# KiCad board SparkFun_RTK_Facet_mosaic_panelized.kicad_pcb (continued)
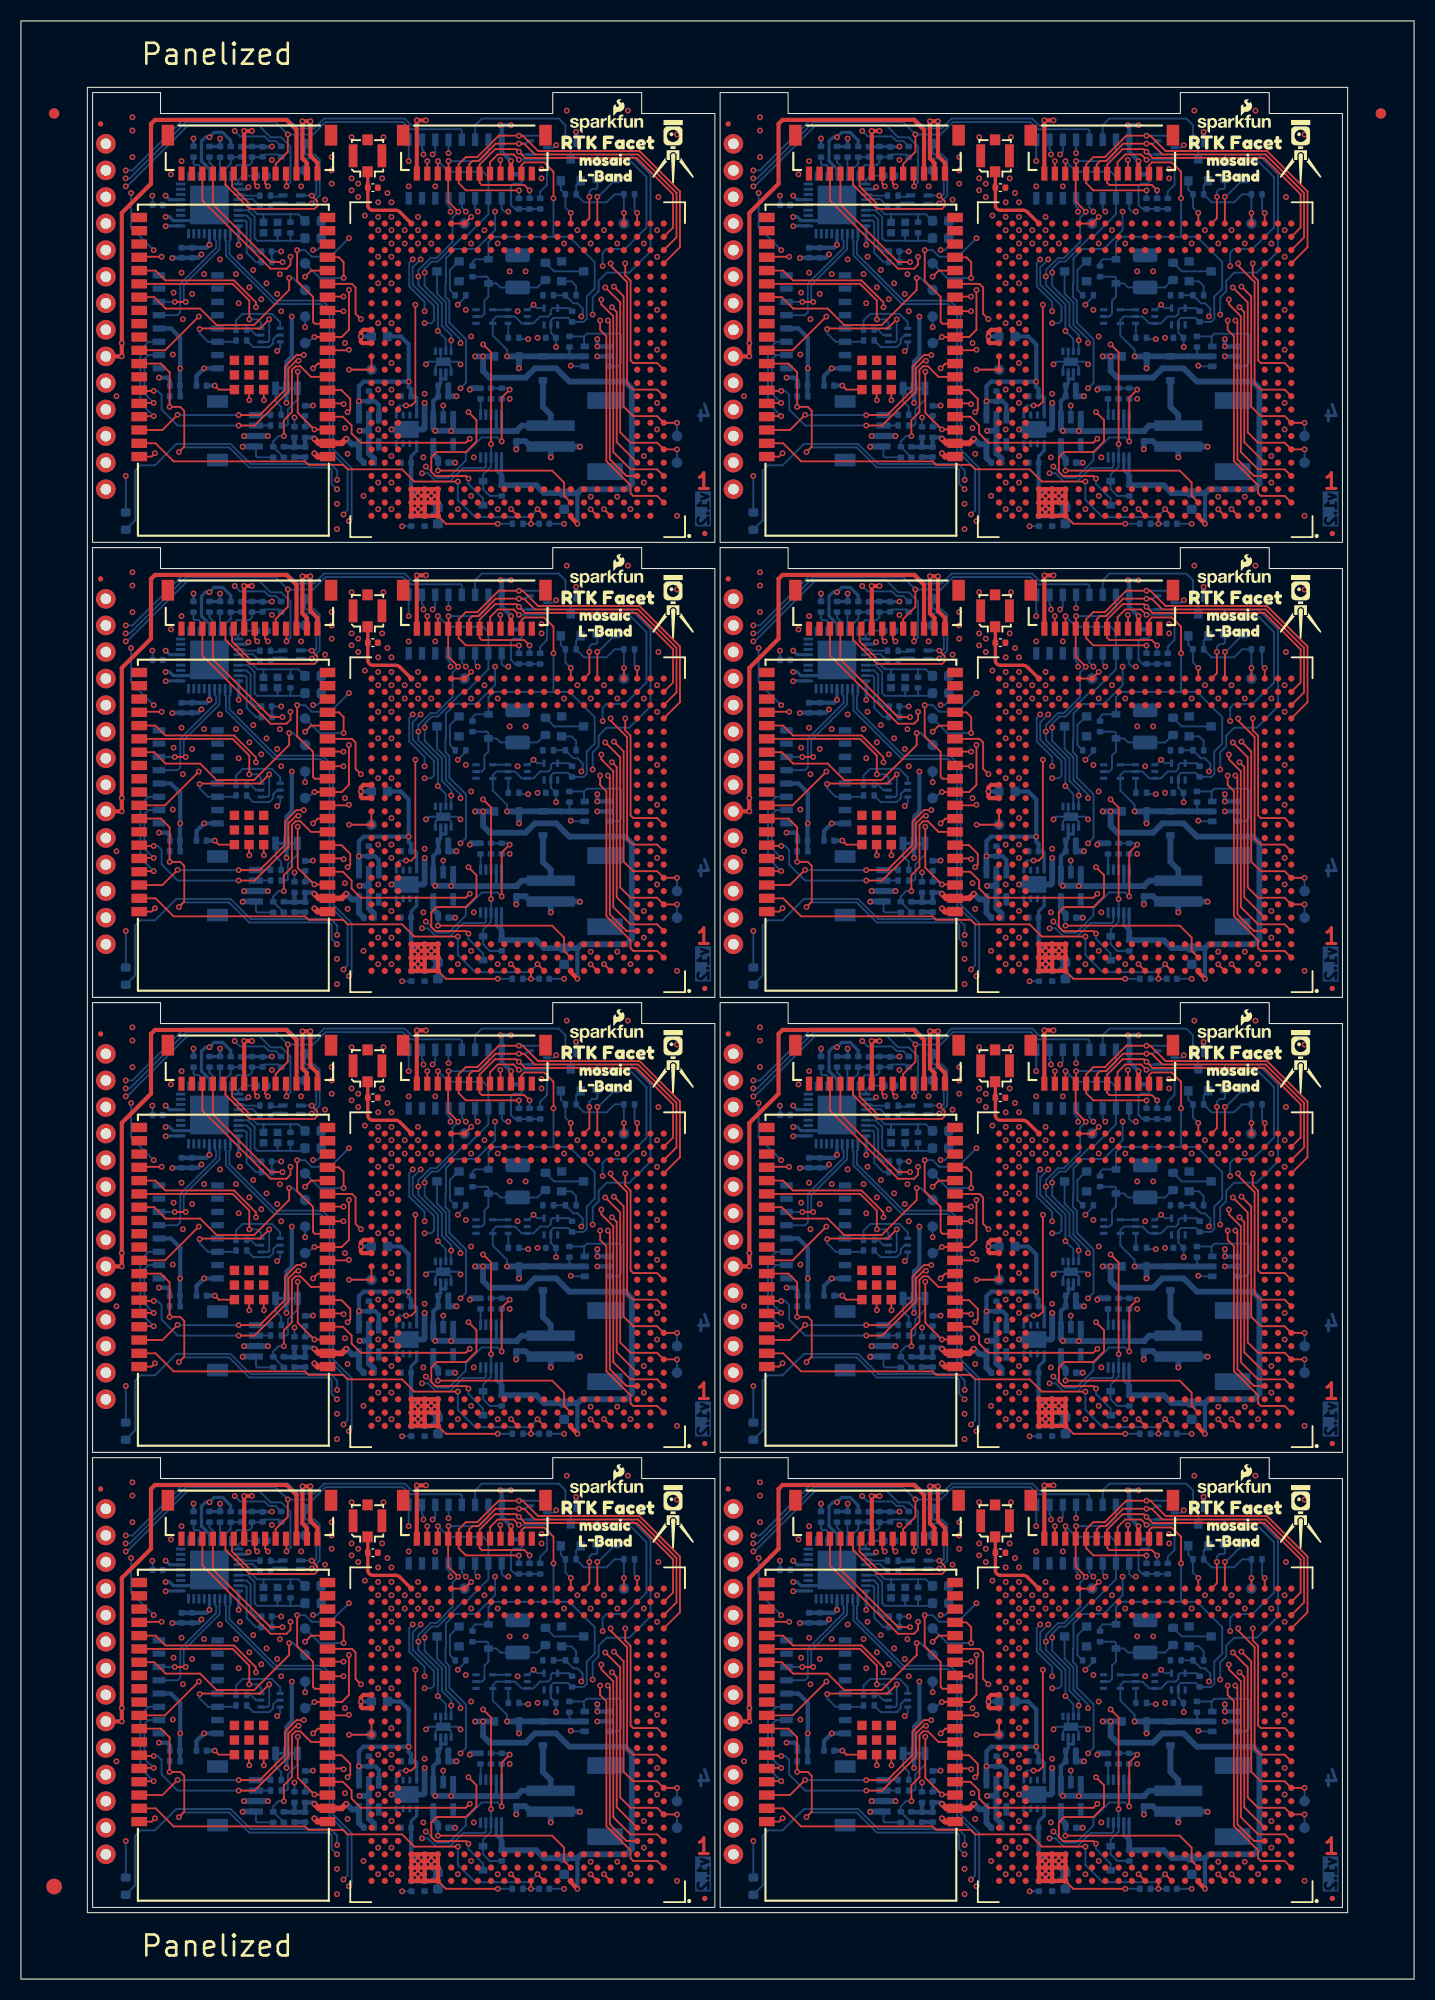
[diagram p0: board, top side]
## Placement (name value [footprint] x y rotation side) (continued)
TP25#3  1.0mm  [TestPoint-1.0mm]  62.73 147.51 180 bottom
TP25#4  1.0mm  [TestPoint-1.0mm]  62.73 17.01 180 bottom
TP25#5  1.0mm  [TestPoint-1.0mm]  62.73 104.01 180 bottom
TP25#6  1.0mm  [TestPoint-1.0mm]  62.73 60.51 180 bottom
TP25#7  1.0mm  [TestPoint-1.0mm]  122.73 147.51 180 bottom
TP25#8  1.0mm  [TestPoint-1.0mm]  122.73 17.01 180 bottom
TR1  Val**  [RFCMF1220100M4T]  85.9 83.12 180 bottom
TR1#2  Val**  [RFCMF1220100M4T]  25.9 83.12 180 bottom
TR1#3  Val**  [RFCMF1220100M4T]  85.9 39.62 180 bottom
TR1#4  Val**  [RFCMF1220100M4T]  25.9 126.62 180 bottom
TR1#5  Val**  [RFCMF1220100M4T]  85.9 126.62 180 bottom
TR1#6  Val**  [RFCMF1220100M4T]  25.9 39.62 180 bottom
TR1#7  Val**  [RFCMF1220100M4T]  25.9 170.12 180 bottom
TR1#8  Val**  [RFCMF1220100M4T]  85.9 170.12 180 bottom
U1  ESP32-WROVER-E-N16R8  [ESP32-WROVER-E-IE]  20.31 109.85 270 top
U1#2  ESP32-WROVER-E-N16R8  [ESP32-WROVER-E-IE]  80.31 66.35 270 top
U1#3  ESP32-WROVER-E-N16R8  [ESP32-WROVER-E-IE]  20.31 66.35 270 top
U1#4  ESP32-WROVER-E-N16R8  [ESP32-WROVER-E-IE]  20.31 153.35 270 top
U1#5  ESP32-WROVER-E-N16R8  [ESP32-WROVER-E-IE]  80.31 22.85 270 top
U1#6  ESP32-WROVER-E-N16R8  [ESP32-WROVER-E-IE]  80.31 109.85 270 top
U1#7  ESP32-WROVER-E-N16R8  [ESP32-WROVER-E-IE]  20.31 22.85 270 top
U1#8  ESP32-WROVER-E-N16R8  [ESP32-WROVER-E-IE]  80.31 153.35 270 top
U2  mosaic-X5  [MOSAIC_LGA]  107.49 153.86 0 top
U2#2  mosaic-X5  [MOSAIC_LGA]  107.49 66.86 0 top
U2#3  mosaic-X5  [MOSAIC_LGA]  107.49 23.36 0 top
U2#4  mosaic-X5  [MOSAIC_LGA]  47.49 23.36 0 top
U2#5  mosaic-X5  [MOSAIC_LGA]  47.49 66.86 0 top
U2#6  mosaic-X5  [MOSAIC_LGA]  107.49 110.36 0 top
U2#7  mosaic-X5  [MOSAIC_LGA]  47.49 153.86 0 top
U2#8  mosaic-X5  [MOSAIC_LGA]  47.49 110.36 0 top
U3  CH340C  [SO-16]  75.99 27.93 0 bottom
U3#2  CH340C  [SO-16]  15.99 27.93 0 bottom
U3#3  CH340C  [SO-16]  75.99 114.93 0 bottom
U3#4  CH340C  [SO-16]  75.99 71.43 0 bottom
U3#5  CH340C  [SO-16]  15.99 158.43 0 bottom
U3#6  CH340C  [SO-16]  15.99 114.93 0 bottom
U3#7  CH340C  [SO-16]  15.99 71.43 0 bottom
U3#8  CH340C  [SO-16]  75.99 158.43 0 bottom
U4  MAX17048  [DFN-8]  100.38 67.62 90 bottom
U4#2  MAX17048  [DFN-8]  100.38 111.12 90 bottom
U4#3  MAX17048  [DFN-8]  100.38 154.62 90 bottom
U4#4  MAX17048  [DFN-8]  40.38 67.62 90 bottom
U4#5  MAX17048  [DFN-8]  40.38 111.12 90 bottom
U4#6  MAX17048  [DFN-8]  40.38 154.62 90 bottom
U4#7  MAX17048  [DFN-8]  100.38 24.12 90 bottom
U4#8  MAX17048  [DFN-8]  40.38 24.12 90 bottom
U6  SN74LVC1G14DCK  [SOT-353]  110.66 158.94 90 bottom
U6#2  SN74LVC1G14DCK  [SOT-353]  50.66 158.94 90 bottom
U6#3  SN74LVC1G14DCK  [SOT-353]  110.66 71.94 90 bottom
U6#4  SN74LVC1G14DCK  [SOT-353]  50.66 28.44 90 bottom
U6#5  SN74LVC1G14DCK  [SOT-353]  50.66 71.94 90 bottom
U6#6  SN74LVC1G14DCK  [SOT-353]  50.66 115.44 90 bottom
U6#7  SN74LVC1G14DCK  [SOT-353]  110.66 28.44 90 bottom
U6#8  SN74LVC1G14DCK  [SOT-353]  110.66 115.44 90 bottom
U7  AP7361C-3.3V  [UDFN-8]  96.86 104.65 90 bottom
U7#2  AP7361C-3.3V  [UDFN-8]  96.86 148.15 90 bottom
U7#3  AP7361C-3.3V  [UDFN-8]  36.86 104.65 90 bottom
U7#4  AP7361C-3.3V  [UDFN-8]  36.86 148.15 90 bottom
U7#5  AP7361C-3.3V  [UDFN-8]  36.86 61.14 90 bottom
U7#6  AP7361C-3.3V  [UDFN-8]  36.86 17.65 90 bottom
U7#7  AP7361C-3.3V  [UDFN-8]  96.86 61.14 90 bottom
U7#8  AP7361C-3.3V  [UDFN-8]  96.86 17.65 90 bottom
U8  SN74LVC1G17DCK  [SOT-353]  104.31 115.44 0 bottom
U8#2  SN74LVC1G17DCK  [SOT-353]  44.31 71.94 0 bottom
U8#3  SN74LVC1G17DCK  [SOT-353]  44.31 115.44 0 bottom
U8#4  SN74LVC1G17DCK  [SOT-353]  104.31 28.44 0 bottom
U8#5  SN74LVC1G17DCK  [SOT-353]  104.31 71.94 0 bottom
U8#6  SN74LVC1G17DCK  [SOT-353]  44.31 158.94 0 bottom
U8#7  SN74LVC1G17DCK  [SOT-353]  104.31 158.94 0 bottom
U8#8  SN74LVC1G17DCK  [SOT-353]  44.31 28.44 0 bottom
U9  USB251xB  [QFN-36]  18.03 169.61 90 bottom
U9#2  USB251xB  [QFN-36]  78.03 39.11 90 bottom
U9#3  USB251xB  [QFN-36]  18.03 82.61 90 bottom
U9#4  USB251xB  [QFN-36]  18.03 126.11 90 bottom
U9#5  USB251xB  [QFN-36]  78.03 82.61 90 bottom
U9#6  USB251xB  [QFN-36]  78.03 126.11 90 bottom
U9#7  USB251xB  [QFN-36]  18.03 39.11 90 bottom
U9#8  USB251xB  [QFN-36]  78.03 169.61 90 bottom
U10  MCP73833_MSOP  [MSOP-10_3x3mm_P0.5mm]  44.95 60.51 90 bottom
U10#2  MCP73833_MSOP  [MSOP-10_3x3mm_P0.5mm]  104.95 147.51 90 bottom
U10#3  MCP73833_MSOP  [MSOP-10_3x3mm_P0.5mm]  44.95 17.01 90 bottom
U10#4  MCP73833_MSOP  [MSOP-10_3x3mm_P0.5mm]  44.95 104.01 90 bottom
U10#5  MCP73833_MSOP  [MSOP-10_3x3mm_P0.5mm]  104.95 17.01 90 bottom
U10#6  MCP73833_MSOP  [MSOP-10_3x3mm_P0.5mm]  104.95 60.51 90 bottom
U10#7  MCP73833_MSOP  [MSOP-10_3x3mm_P0.5mm]  44.95 147.51 90 bottom
U10#8  MCP73833_MSOP  [MSOP-10_3x3mm_P0.5mm]  104.95 104.01 90 bottom
U11  AP2112K-3.3  [SOT23-5]  33.27 17.52 270 bottom
U11#2  AP2112K-3.3  [SOT23-5]  93.27 17.52 270 bottom
U11#3  AP2112K-3.3  [SOT23-5]  33.27 104.52 270 bottom
U11#4  AP2112K-3.3  [SOT23-5]  93.27 104.52 270 bottom
U11#5  AP2112K-3.3  [SOT23-5]  93.27 61.02 270 bottom
U11#6  AP2112K-3.3  [SOT23-5]  33.27 148.02 270 bottom
U11#7  AP2112K-3.3  [SOT23-5]  33.27 61.02 270 bottom
U11#8  AP2112K-3.3  [SOT23-5]  93.27 148.02 270 bottom
U12  STLQ015-3.3  [SOT23-5]  100.38 148.02 270 bottom
U12#2  STLQ015-3.3  [SOT23-5]  40.38 104.52 270 bottom
U12#3  STLQ015-3.3  [SOT23-5]  40.38 61.02 270 bottom
U12#4  STLQ015-3.3  [SOT23-5]  100.38 104.52 270 bottom
U12#5  STLQ015-3.3  [SOT23-5]  40.38 17.52 270 bottom
U12#6  STLQ015-3.3  [SOT23-5]  100.38 17.52 270 bottom
U12#7  STLQ015-3.3  [SOT23-5]  100.38 61.02 270 bottom
U12#8  STLQ015-3.3  [SOT23-5]  40.38 148.02 270 bottom
U13  74HC4052D  [SO-16]  101.52 129.54 90 bottom
U13#2  74HC4052D  [SO-16]  41.52 173.04 90 bottom
U13#3  74HC4052D  [SO-16]  101.52 42.54 90 bottom
U13#4  74HC4052D  [SO-16]  41.52 42.54 90 bottom
U13#5  74HC4052D  [SO-16]  101.52 173.04 90 bottom
U13#6  74HC4052D  [SO-16]  101.52 86.04 90 bottom
U13#7  74HC4052D  [SO-16]  41.52 129.54 90 bottom
U13#8  74HC4052D  [SO-16]  41.52 86.04 90 bottom
U14  SN74LVC1G175DCK  [SOT-323]  47.49 115.44 180 bottom
U14#2  SN74LVC1G175DCK  [SOT-323]  107.49 71.94 180 bottom
U14#3  SN74LVC1G175DCK  [SOT-323]  107.49 28.44 180 bottom
U14#4  SN74LVC1G175DCK  [SOT-323]  107.49 158.94 180 bottom
U14#5  SN74LVC1G175DCK  [SOT-323]  47.49 28.44 180 bottom
U14#6  SN74LVC1G175DCK  [SOT-323]  47.49 71.94 180 bottom
U14#7  SN74LVC1G175DCK  [SOT-323]  47.49 158.94 180 bottom
U14#8  SN74LVC1G175DCK  [SOT-323]  107.49 115.44 180 bottom
Y1  24MHz  [Crystal_SMD_2.0x1.6mm]  23.87 80.45 0 bottom
Y1#2  24MHz  [Crystal_SMD_2.0x1.6mm]  23.87 167.45 0 bottom
Y1#3  24MHz  [Crystal_SMD_2.0x1.6mm]  23.87 123.95 0 bottom
Y1#4  24MHz  [Crystal_SMD_2.0x1.6mm]  83.87 167.45 0 bottom
Y1#5  24MHz  [Crystal_SMD_2.0x1.6mm]  83.87 36.95 0 bottom
Y1#6  24MHz  [Crystal_SMD_2.0x1.6mm]  83.87 80.45 0 bottom
Y1#7  24MHz  [Crystal_SMD_2.0x1.6mm]  23.87 36.95 0 bottom
Y1#8  24MHz  [Crystal_SMD_2.0x1.6mm]  83.87 123.95 0 bottom

## Library data of the parts
C1 = -: Datasheet: https://cdn.sparkfun.com/assets/8/a/4/a/5/Kemet_Capacitor_Datasheet.pdf; Description: Unpolarized capacitor; PROD_ID: CAP-14848; Voltage: 6.3V; Tolerance: 20%; ki_fp_filters: C_*
C1#2-C1#8 = -: Datasheet: https://cdn.sparkfun.com/assets/8/a/4/a/5/Kemet_Capacitor_Datasheet.pdf; Description: Unpolarized capacitor; PROD_ID: CAP-14848; Voltage: 6.3V; Tolerance: 20%
C2 C3#5 C5#8 C6#8 C10#6 C11#3 C12#5 C13#4 C26#2 C28 C30#3 = -: Datasheet: https://cdn.sparkfun.com/assets/8/a/4/a/5/Kemet_Capacitor_Datasheet.pdf; Description: Unpolarized capacitor; PROD_ID: CAP-14993; Voltage: 6.3V; Tolerance: 10%; ki_fp_filters: C_*
C2#2-C2#8 C3 C3#2-C3#4 C3#6-C3#8 C5 C5#2-C5#7 C6 C6#2-C6#7 C10 C10#2-C10#5 C10#7 C10#8 C11 C11#2 C11#4-C11#8 C12 C12#2-C12#4 C12#6-C12#8 C13 C13#2 C13#3 C13#5-C13#8 C26 C26#3-C26#8 C28#2-C28#8 C30 C30#2 C30#4-C30#8 = -: Datasheet: https://cdn.sparkfun.com/assets/8/a/4/a/5/Kemet_Capacitor_Datasheet.pdf; Description: Unpolarized capacitor; PROD_ID: CAP-14993; Voltage: 6.3V; Tolerance: 10%
C4 C4#2 C4#4-C4#8 C9 C9#2-C9#6 C9#8 C27#2-C27#8 = -: Datasheet: https://cdn.sparkfun.com/assets/8/a/4/a/5/Kemet_Capacitor_Datasheet.pdf; Description: Unpolarized capacitor; PROD_ID: CAP-14232; Voltage: 10V; Tolerance: 10%
C4#3 C9#7 C27 = -: Datasheet: https://cdn.sparkfun.com/assets/8/a/4/a/5/Kemet_Capacitor_Datasheet.pdf; Description: Unpolarized capacitor; PROD_ID: CAP-14232; Voltage: 10V; Tolerance: 10%; ki_fp_filters: C_*
C7 C7#2 C7#3 C7#5-C7#8 C8#2-C8#8 C18 C18#2-C18#4 C18#6-C18#8 C21 C21#2-C21#7 C22 C22#2 C22#3 C22#5-C22#8 C23#2-C23#8 C24 C24#2-C24#6 C24#8 C25 C25#2-C25#5 C25#7 C25#8 = -: Datasheet: https://cdn.sparkfun.com/assets/8/a/4/a/5/Kemet_Capacitor_Datasheet.pdf; Description: Unpolarized capacitor; PROD_ID: CAP-14969; Voltage: 16V; Tolerance: 10%
C7#4 C8 C18#5 C21#8 C22#4 C23 C24#7 C25#6 = -: Datasheet: https://cdn.sparkfun.com/assets/8/a/4/a/5/Kemet_Capacitor_Datasheet.pdf; Description: Unpolarized capacitor; PROD_ID: CAP-14969; Voltage: 16V; Tolerance: 10%; ki_fp_filters: C_*
C14 C14#2-C14#7 C15 C15#2 C15#4-C15#8 = -: Datasheet: https://cdn.sparkfun.com/assets/8/a/4/a/5/Kemet_Capacitor_Datasheet.pdf; Description: Unpolarized capacitor; PROD_ID: CAP-08267; Voltage: 50V; Tolerance: 5%
C14#8 C15#3 = -: Datasheet: https://cdn.sparkfun.com/assets/8/a/4/a/5/Kemet_Capacitor_Datasheet.pdf; Description: Unpolarized capacitor; PROD_ID: CAP-08267; Voltage: 50V; Tolerance: 5%; ki_fp_filters: C_*
C16 C16#2-C16#4 C16#6-C16#8 = -: Datasheet: https://cdn.sparkfun.com/assets/8/a/4/a/5/Kemet_Capacitor_Datasheet.pdf; Description: Unpolarized capacitor; PROD_ID: CAP-14240; Voltage: 6.3V; Tolerance: 20%
C16#5 = -: Datasheet: https://cdn.sparkfun.com/assets/8/a/4/a/5/Kemet_Capacitor_Datasheet.pdf; Description: Unpolarized capacitor; PROD_ID: CAP-14240; Voltage: 6.3V; Tolerance: 20%; ki_fp_filters: C_*
C17 C17#2 C17#3 C17#5-C17#8 = -: Datasheet: https://cdn.sparkfun.com/assets/8/a/4/a/5/Kemet_Capacitor_Datasheet.pdf; Description: Unpolarized capacitor; PROD_ID: CAP-14106; Voltage: 35V; Tolerance: 20%
C17#4 = -: Datasheet: https://cdn.sparkfun.com/assets/8/a/4/a/5/Kemet_Capacitor_Datasheet.pdf; Description: Unpolarized capacitor; PROD_ID: CAP-14106; Voltage: 35V; Tolerance: 20%; ki_fp_filters: C_*
C19 C19#2-C19#4 C19#6-C19#8 = -: Datasheet: https://www.vishay.com/docs/40002/293d.pdf; Description: Polarized tantalum capacitor; PROD_ID: CAP-08310; Voltage: 10V; Tolerance: 10%
C19#5 = -: Datasheet: https://www.vishay.com/docs/40002/293d.pdf; Description: Polarized tantalum capacitor; PROD_ID: CAP-08310; Voltage: 10V; Tolerance: 10%; ki_fp_filters: CP_*
C29 C29#2 C29#3 C29#5-C29#8 = -: Datasheet: https://cdn.sparkfun.com/assets/8/a/4/a/5/Kemet_Capacitor_Datasheet.pdf; Description: Unpolarized capacitor; PROD_ID: CAP-14464; Voltage: 6.3V; Tolerance: 20%
C29#4 = -: Datasheet: https://cdn.sparkfun.com/assets/8/a/4/a/5/Kemet_Capacitor_Datasheet.pdf; Description: Unpolarized capacitor; PROD_ID: CAP-14464; Voltage: 6.3V; Tolerance: 20%; ki_fp_filters: C_*
D1 D1#2 D1#4-D1#8 = -: Datasheet: https://www.littelfuse.com/~/media/electronics/product_specifications/polymer_esd_suppressors/littelfuse_polymer_esd_suppressor_pesd0402_140_product_specification.pdf.pdf; Description: Bidirectional transient-voltage-suppression diode; PROD_ID: DIO-15359
D1#3 = -: Datasheet: https://www.littelfuse.com/~/media/electronics/product_specifications/polymer_esd_suppressors/littelfuse_polymer_esd_suppressor_pesd0402_140_product_specification.pdf.pdf; Description: Bidirectional transient-voltage-suppression diode; PROD_ID: DIO-15359; ki_fp_filters: TO-???* *_Diode_* *SingleDiode* D_*
D2 D2#2-D2#7 = -: Datasheet: https://toshiba.semicon-storage.com/info/DF5A5.6LFU_datasheet_en_20140301.pdf?did=22260&prodName=DF5A5.6LFU; Description: Low capacitance microSD unidirectional quadruple ESD protection diode array, 3.3V, Common Anode, SOT-353; PROD_ID: DIO-20454
D2#8 = -: Datasheet: https://toshiba.semicon-storage.com/info/DF5A5.6LFU_datasheet_en_20140301.pdf?did=22260&prodName=DF5A5.6LFU; Description: Low capacitance microSD unidirectional quadruple ESD protection diode array, 3.3V, Common Anode, SOT-353; PROD_ID: DIO-20454; ki_fp_filters: SOT?353*
D3 D3#2-D3#6 D3#8 D4 D4#2 D4#4-D4#8 = -: Datasheet: https://www.infineon.com/dgdl/bat60aseries.pdf?folderId=db3a304313d846880113def5812204a1&fileId=db3a304313d846880113def70c9304a9; Description: Schottky diode; PROD_ID: DIO-14072; IMax: 3A; VDrop: 0.28V; VMax: 10V
D3#7 D4#3 = -: Datasheet: https://www.infineon.com/dgdl/bat60aseries.pdf?folderId=db3a304313d846880113def5812204a1&fileId=db3a304313d846880113def70c9304a9; Description: Schottky diode; PROD_ID: DIO-14072; IMax: 3A; VDrop: 0.28V; VMax: 10V; ki_fp_filters: TO-???* *_Diode_* *SingleDiode* D_*
D5 D5#2-D5#4 D5#6-D5#8 D6 D6#3-D6#8 = -: Datasheet: https://assets.nexperia.com/documents/data-sheet/BAS16J.pdf; Description: Diode; PROD_ID: DIO-09646; VMax: 100V; IRev: 0.5μA
D5#5 D6#2 = -: Datasheet: https://assets.nexperia.com/documents/data-sheet/BAS16J.pdf; Description: Diode; PROD_ID: DIO-09646; VMax: 100V; IRev: 0.5μA; ki_fp_filters: TO-???* *_Diode_* *SingleDiode* D_*
FID1 FID1#2 FID1#3 FID1#5-FID1#8 FID2 FID2#2-FID2#5 FID2#7 FID2#8 FID3 FID3#2-FID3#4 FID3#6-FID3#8 FID4 FID4#2-FID4#6 FID4#8 = -: Description: Fiducial Marker
FID1#4 FID2#6 FID3#5 FID4#7 = -: Description: Fiducial Marker; ki_fp_filters: Fiducial*
J1 = -: Datasheet: https://mm.digikey.com/Volume0/opasdata/d220001/medias/docus/2607/UFL%20Series.pdf; Description: SMA PCB Edge Mount connector SMD; PROD_ID: CONN-09193; ki_fp_filters: *BNC* *SMA* *SMB* *SMC* *Cinch* *LEMO*
J1#2-J1#8 = -: Datasheet: https://mm.digikey.com/Volume0/opasdata/d220001/medias/docus/2607/UFL%20Series.pdf; Description: SMA PCB Edge Mount connector SMD; PROD_ID: CONN-09193
J2 J2#2-J2#7 = -: Description: 2 Pin 2mm JST Battery Connector; PROD_ID: CONN-11443
J2#8 = -: Description: 2 Pin 2mm JST Battery Connector; PROD_ID: CONN-11443; ki_fp_filters: Connector*:*_1x??_*
J3 J3#2-J3#6 J3#8 = -: Datasheet: https://www.jst-mfg.com/product/pdf/eng/eSH.pdf; Description: 4 pin JST 1mm polarized connector for I2C; PROD_ID: CONN-13694
J3#7 = -: Datasheet: https://www.jst-mfg.com/product/pdf/eng/eSH.pdf; Description: 4 pin JST 1mm polarized connector for I2C; PROD_ID: CONN-13694; ki_fp_filters: Connector*:*_1x??_*
J4 J4#2-J4#5 J4#7 J4#8 = -: Datasheet: https://www.jst-mfg.com/product/pdf/eng/eSH.pdf; Description: SMD 12 pin friction fit JST connector; PROD_ID: CONN-23694
J4#6 = -: Datasheet: https://www.jst-mfg.com/product/pdf/eng/eSH.pdf; Description: SMD 12 pin friction fit JST connector; PROD_ID: CONN-23694; ki_fp_filters: Connector*:*_1x??_*
J5 J5#2-J5#7 = -: Datasheet: https://www.jst-mfg.com/product/pdf/eng/eSH.pdf; Description: SMD 14 pin friction fit JST connector; PROD_ID: CONN-23695
J5#8 = -: Datasheet: https://www.jst-mfg.com/product/pdf/eng/eSH.pdf; Description: SMD 14 pin friction fit JST connector; PROD_ID: CONN-23695; ki_fp_filters: Connector*:*_1x??_*
JP1 JP1#3-JP1#8 = -: Description: Solder Jumper, 3-pole, pins 1+2+3 closed/bridged
JP1#2 = -: Description: Solder Jumper, 3-pole, pins 1+2+3 closed/bridged; ki_fp_filters: SolderJumper*Bridged123*
L1 L1#2 L1#3 L1#5-L1#8 = -: Datasheet: http://www.murata.com/en-global/api/pdfdownloadapi?cate=luNoiseSupprFilteChipFerriBead&partno=BLM18PG471SN1%23; Description: Inductor; PROD_ID: NDUC-12579; Frequency: 100MHz
L1#4 = -: Datasheet: http://www.murata.com/en-global/api/pdfdownloadapi?cate=luNoiseSupprFilteChipFerriBead&partno=BLM18PG471SN1%23; Description: Inductor; PROD_ID: NDUC-12579; Frequency: 100MHz; ki_fp_filters: Choke_* *Coil* Inductor_* L_*
Q1 Q1#2 Q1#4-Q1#8 = -: Datasheet: https://assets.nexperia.com/documents/data-sheet/BC846BS.pdf; Description: 100mA IC, 65V Vce, Dual NPN/NPN Transistors, SOT-363; PROD_ID: TRANS-13337
Q1#3 = -: Datasheet: https://assets.nexperia.com/documents/data-sheet/BC846BS.pdf; Description: 100mA IC, 65V Vce, Dual NPN/NPN Transistors, SOT-363; PROD_ID: TRANS-13337; ki_fp_filters: SOT?363*
Q2 Q2#2-Q2#7 = -: Datasheet: https://www.mccsemi.com/pdf/Products/SIL2308(SOT-23-6L)-A.pdf; Description: Dual N-Channel P-Channel MOSFET; PROD_ID: TRANS-15717; IMax: 4A; VMax: 20V
Q2#8 = -: Datasheet: https://www.mccsemi.com/pdf/Products/SIL2308(SOT-23-6L)-A.pdf; Description: Dual N-Channel P-Channel MOSFET; PROD_ID: TRANS-15717; IMax: 4A; VMax: 20V; ki_fp_filters: SOIC*3.9x4.9mm*P1.27mm*
Q3 Q3#2-Q3#8 Q4 Q4#2-Q4#8 Q5 Q5#2-Q5#8 = -: Datasheet: https://cdn.sparkfun.com/datasheets/BreakoutBoards/BSS138.pdf; Description: N-MOSFET transistor, drain/gate/source; PROD_ID: TRANS-00830; IMax: 0.2A; VMax: 50V
R1 R1#2-R1#6 R1#8 R2#2-R2#8 R3 R3#2 R3#3 R3#5-R3#8 R5 R5#2-R5#4 R5#6-R5#8 R11 R11#2 R11#3 R11#5-R11#8 R28 R28#2 R28#3 R28#5-R28#8 R37 R37#2-R37#4 R37#6-R37#8 R38 R38#2-R38#6 R38#8 R39 R39#2-R39#5 R39#7 R39#8 = -: Datasheet: https://www.vishay.com/docs/20035/dcrcwe3.pdf; Description: Resistor; PROD_ID: RES-14241
R1#7 R2 R3#4 R5#5 R11#4 R28#4 R37#5 R38#7 R39#6 = -: Datasheet: https://www.vishay.com/docs/20035/dcrcwe3.pdf; Description: Resistor; PROD_ID: RES-14241; ki_fp_filters: R_*
R4 R4#2 R4#3 R4#5-R4#8 R6 R6#2-R6#5 R6#7 R6#8 R12 R12#3-R12#8 R13 R13#3-R13#8 = -: Datasheet: https://www.vishay.com/docs/20035/dcrcwe3.pdf; Description: Resistor; PROD_ID: RES-14341
R4#4 R6#6 R12#2 R13#2 = -: Datasheet: https://www.vishay.com/docs/20035/dcrcwe3.pdf; Description: Resistor; PROD_ID: RES-14341; ki_fp_filters: R_*
R7 R7#2 R7#3 R7#5-R7#8 R9 R9#2-R9#5 R9#7 R9#8 R22#2-R22#8 R32 R32#2 R32#3 R32#5-R32#8 R35 R35#2-R35#6 R35#8 R36 R36#2-R36#7 = -: Datasheet: https://www.vishay.com/docs/20035/dcrcwe3.pdf; Description: Resistor; PROD_ID: RES-14342
R7#4 R9#6 R22 R32#4 R35#7 R36#8 = -: Datasheet: https://www.vishay.com/docs/20035/dcrcwe3.pdf; Description: Resistor; PROD_ID: RES-14342; ki_fp_filters: R_*
R8 R8#2-R8#4 R8#6-R8#8 = -: Datasheet: https://www.vishay.com/docs/20035/dcrcwe3.pdf; Description: Resistor; PROD_ID: RES-15343
R8#5 = -: Datasheet: https://www.vishay.com/docs/20035/dcrcwe3.pdf; Description: Resistor; PROD_ID: RES-15343; ki_fp_filters: R_*
R10 R10#2-R10#4 R10#6-R10#8 R14#2-R14#8 R15 R15#2 R15#4-R15#8 R18 R18#2-R18#6 R18#8 R19 R19#2 R19#4-R19#8 R20 R20#2-R20#7 R21 R21#2-R21#6 R21#8 R23 R23#2 R23#4-R23#8 R24 R24#2-R24#4 R24#6-R24#8 R42 R42#2 R42#3 R42#5-R42#8 R43 R43#2 R43#3 R43#5-R43#8 = -: Datasheet: https://www.vishay.com/docs/20035/dcrcwe3.pdf; Description: Resistor; PROD_ID: RES-13495
R10#5 R14 R15#3 R18#7 R19#3 R20#8 R21#7 R23#3 R24#5 R42#4 R43#4 = -: Datasheet: https://www.vishay.com/docs/20035/dcrcwe3.pdf; Description: Resistor; PROD_ID: RES-13495; ki_fp_filters: R_*
R16 R16#2-R16#4 R16#6-R16#8 R41 R41#2-R41#6 R41#8 = -: Datasheet: https://www.vishay.com/docs/20035/dcrcwe3.pdf; Description: Resistor; PROD_ID: RES-14394
R16#5 R41#7 = -: Datasheet: https://www.vishay.com/docs/20035/dcrcwe3.pdf; Description: Resistor; PROD_ID: RES-14394; ki_fp_filters: R_*
R17 R17#2 R17#3 R17#5-R17#8 = -: Datasheet: https://www.vishay.com/docs/20035/dcrcwe3.pdf; Description: Resistor; PROD_ID: RES-14967
R17#4 = -: Datasheet: https://www.vishay.com/docs/20035/dcrcwe3.pdf; Description: Resistor; PROD_ID: RES-14967; ki_fp_filters: R_*
R25 R25#2-R25#5 R25#7 R25#8 = -: Datasheet: https://www.vishay.com/docs/20035/dcrcwe3.pdf; Description: Resistor; PROD_ID: RES-15185
R25#6 = -: Datasheet: https://www.vishay.com/docs/20035/dcrcwe3.pdf; Description: Resistor; PROD_ID: RES-15185; ki_fp_filters: R_*
R26 R26#2 R26#4-R26#8 R27 R27#2 R27#3 R27#5-R27#8 = -: Datasheet: https://www.vishay.com/docs/20035/dcrcwe3.pdf; Description: Resistor; PROD_ID: RES-12427
R26#3 R27#4 = -: Datasheet: https://www.vishay.com/docs/20035/dcrcwe3.pdf; Description: Resistor; PROD_ID: RES-12427; ki_fp_filters: R_*
R29 R29#2-R29#4 R29#6-R29#8 = -: Datasheet: https://www.vishay.com/docs/20035/dcrcwe3.pdf; Description: Resistor; PROD_ID: RES-15093
R29#5 = -: Datasheet: https://www.vishay.com/docs/20035/dcrcwe3.pdf; Description: Resistor; PROD_ID: RES-15093; ki_fp_filters: R_*
R30 = -: Datasheet: https://www.murata.com/-/media/webrenewal/products/thermistor/ntc/ncp/ncp18.ashx?la=ja-jp&cvid=20211118090222000000; Description: Temperature dependent resistor; PROD_ID: RES-13608; ki_fp_filters: R_*
R30#2-R30#8 = -: Datasheet: https://www.murata.com/-/media/webrenewal/products/thermistor/ntc/ncp/ncp18.ashx?la=ja-jp&cvid=20211118090222000000; Description: Temperature dependent resistor; PROD_ID: RES-13608
R31 R31#2-R31#7 = -: Datasheet: https://industrial.panasonic.com/cdbs/www-data/pdf/RDN0000/AOA0000C313.pdf; Description: Resistor; PROD_ID: RES-14244
R31#8 = -: Datasheet: https://industrial.panasonic.com/cdbs/www-data/pdf/RDN0000/AOA0000C313.pdf; Description: Resistor; PROD_ID: RES-14244; ki_fp_filters: R_*
R33 R33#2 R33#3 R33#5-R33#8 = -: Datasheet: https://www.vishay.com/docs/20035/dcrcwe3.pdf; Description: Resistor; PROD_ID: RES-15347
R33#4 = -: Datasheet: https://www.vishay.com/docs/20035/dcrcwe3.pdf; Description: Resistor; PROD_ID: RES-15347; ki_fp_filters: R_*
R34 R34#2-R34#6 R34#8 = -: Datasheet: https://www.vishay.com/docs/20035/dcrcwe3.pdf; Description: Resistor; PROD_ID: RES-07863
R34#7 = -: Datasheet: https://www.vishay.com/docs/20035/dcrcwe3.pdf; Description: Resistor; PROD_ID: RES-07863; ki_fp_filters: R_*
TP1 TP1#2 TP1#4-TP1#8 TP2 TP2#2-TP2#4 TP2#6-TP2#8 TP3 TP3#2-TP3#6 TP3#8 TP4 TP4#2-TP4#5 TP4#7 TP4#8 TP5 TP5#2 TP5#4-TP5#8 TP6 TP6#2-TP6#4 TP6#6-TP6#8 TP7 TP7#2-TP7#5 TP7#7 TP7#8 TP8 TP8#2-TP8#6 TP8#8 TP9 TP9#2 TP9#4-TP9#8 TP10 TP10#2-TP10#4 TP10#6-TP10#8 TP11#2-TP11#8 TP12 TP12#2 TP12#3 TP12#5-TP12#8 TP13 TP13#2-TP13#4 TP13#6-TP13#8 TP14 TP14#3-TP14#8 TP15 TP15#2 TP15#4-TP15#8 TP16 TP16#2-TP16#6 TP16#8 TP17 TP17#3-TP17#8 TP18 TP18#2 TP18#3 TP18#5-TP18#8 TP19 TP19#2-TP19#7 TP20 TP20#2-TP20#4 TP20#6-TP20#8 TP21 TP21#2 TP21#3 TP21#5-TP21#8 TP22 TP22#2 TP22#3 TP22#5-TP22#8 TP23 TP23#2-TP23#4 TP23#6-TP23#8 TP24 TP24#2 TP24#3 TP24#5-TP24#8 TP25 TP25#2 TP25#3 TP25#5-TP25#8 = -: Description: Test Point
TP1#3 TP2#5 TP3#7 TP4#6 TP5#3 TP6#5 TP7#6 TP8#7 TP9#3 TP10#5 TP11 TP12#4 TP13#5 TP14#2 TP15#3 TP16#7 TP17#2 TP18#4 TP19#8 TP20#5 TP21#4 TP22#4 TP23#5 TP24#4 TP25#4 = -: Description: Test Point; ki_fp_filters: Pin* Test*
TR1 TR1#2-TR1#8 = -: Datasheet: http://www.passivecomponent.com/wp-content/uploads/2018/10/RF-Filter.pdf; Description: USB Transformer; PROD_ID: COMP-19495
U1 U1#2-U1#6 U1#8 = -: Datasheet: https://www.espressif.com/sites/default/files/documentation/esp32-wrover-e_esp32-wrover-ie_datasheet_en.pdf; PROD_ID: IC-21314
U1#7 = -: Datasheet: https://www.espressif.com/sites/default/files/documentation/esp32-wrover-e_esp32-wrover-ie_datasheet_en.pdf; PROD_ID: IC-21314; ki_fp_filters: ESP32?WROOM?32*
U2 U2#2-U2#8 = -: Datasheet: https://docs.sparkfun.com/SparkFun_RTK_mosaic-X5/assets/component_documentation/Mosaic%20Hardware%20Manual_v1.8.0.pdf; Description: Tri-band GNSS receiver; PROD_ID: GPS-19395
U3 U3#3-U3#8 = -: Datasheet: https://datasheet.lcsc.com/szlcsc/Jiangsu-Qin-Heng-CH340C_C84681.pdf; Description: USB serial converter, UART, SOIC-16; PROD_ID: IC-14038
U3#2 = -: Datasheet: https://datasheet.lcsc.com/szlcsc/Jiangsu-Qin-Heng-CH340C_C84681.pdf; Description: USB serial converter, UART, SOIC-16; PROD_ID: IC-14038; ki_fp_filters: SOIC*3.9x9.9mm*P1.27mm*
U4 U4#2-U4#7 = -: Datasheet: https://www.analog.com/media/en/technical-documentation/data-sheets/MAX17048-MAX17049.pdf; Description: Fuela Gauge IC for Batteries; PROD_ID: IC-12551
U4#8 = -: Datasheet: https://www.analog.com/media/en/technical-documentation/data-sheets/MAX17048-MAX17049.pdf; Description: Fuela Gauge IC for Batteries; PROD_ID: IC-12551; ki_fp_filters: DFN*1EP*3x3mm*P0.5mm*
U6 U6#2 U6#3 U6#5-U6#8 = -: Datasheet: https://www.ti.com/lit/gpn/SN74LVC1G14; Description: Single Schmitt-Trigger Inverter, Low-Voltage CMOS, 1.65V to 5.5V, SOT-353 (SC70); PROD_ID: IC-21903
U6#4 = -: Datasheet: https://www.ti.com/lit/gpn/SN74LVC1G14; Description: Single Schmitt-Trigger Inverter, Low-Voltage CMOS, 1.65V to 5.5V, SOT-353 (SC70); PROD_ID: IC-21903; ki_fp_filters: SG-* SOT*
U7 U7#2-U7#5 U7#7 U7#8 = -: Datasheet: https://www.diodes.com/assets/Datasheets/AP7361C.pdf; Description: 1A low dropout linear regulator, with enable pin, 2.2-6.0V input, 3.3V output, UDFN-8; PROD_ID: VREG-14094; VMax: 6V; Imax: 1.5A; Iq: 60µA; Ityp: 1.0A
U7#6 = -: Datasheet: https://www.diodes.com/assets/Datasheets/AP7361C.pdf; Description: 1A low dropout linear regulator, with enable pin, 2.2-6.0V input, 3.3V output, UDFN-8; PROD_ID: VREG-14094; VMax: 6V; Imax: 1.5A; Iq: 60µA; Ityp: 1.0A; ki_fp_filters: SOT?23?5*
U8 U8#2-U8#7 = -: Datasheet: https://www.ti.com/lit/gpn/SN74LVC1G17; Description: Single Schmitt-Trigger Buffer, Low-Voltage CMOS, 1.65V to 5.5V, SOT-353 (SC70); PROD_ID: IC-21904
U8#8 = -: Datasheet: https://www.ti.com/lit/gpn/SN74LVC1G17; Description: Single Schmitt-Trigger Buffer, Low-Voltage CMOS, 1.65V to 5.5V, SOT-353 (SC70); PROD_ID: IC-21904; ki_fp_filters: SG-* SOT*
